# Altium PCB power-v3.6.PcbDoc (part 2 of 3)
Units mil, origin at the board's own origin, x right, y up, seen from the top; angles counter-clockwise.
Board outline 6141.36 x 3430.84 mil, 4 copper layers (Signal 1, Ground, Power, Signal 2), stack 60.469 mil thick; 247 components, 141 nets, 631 pads, 954 vias.
Unrouted connection lines stored in the file: 21.
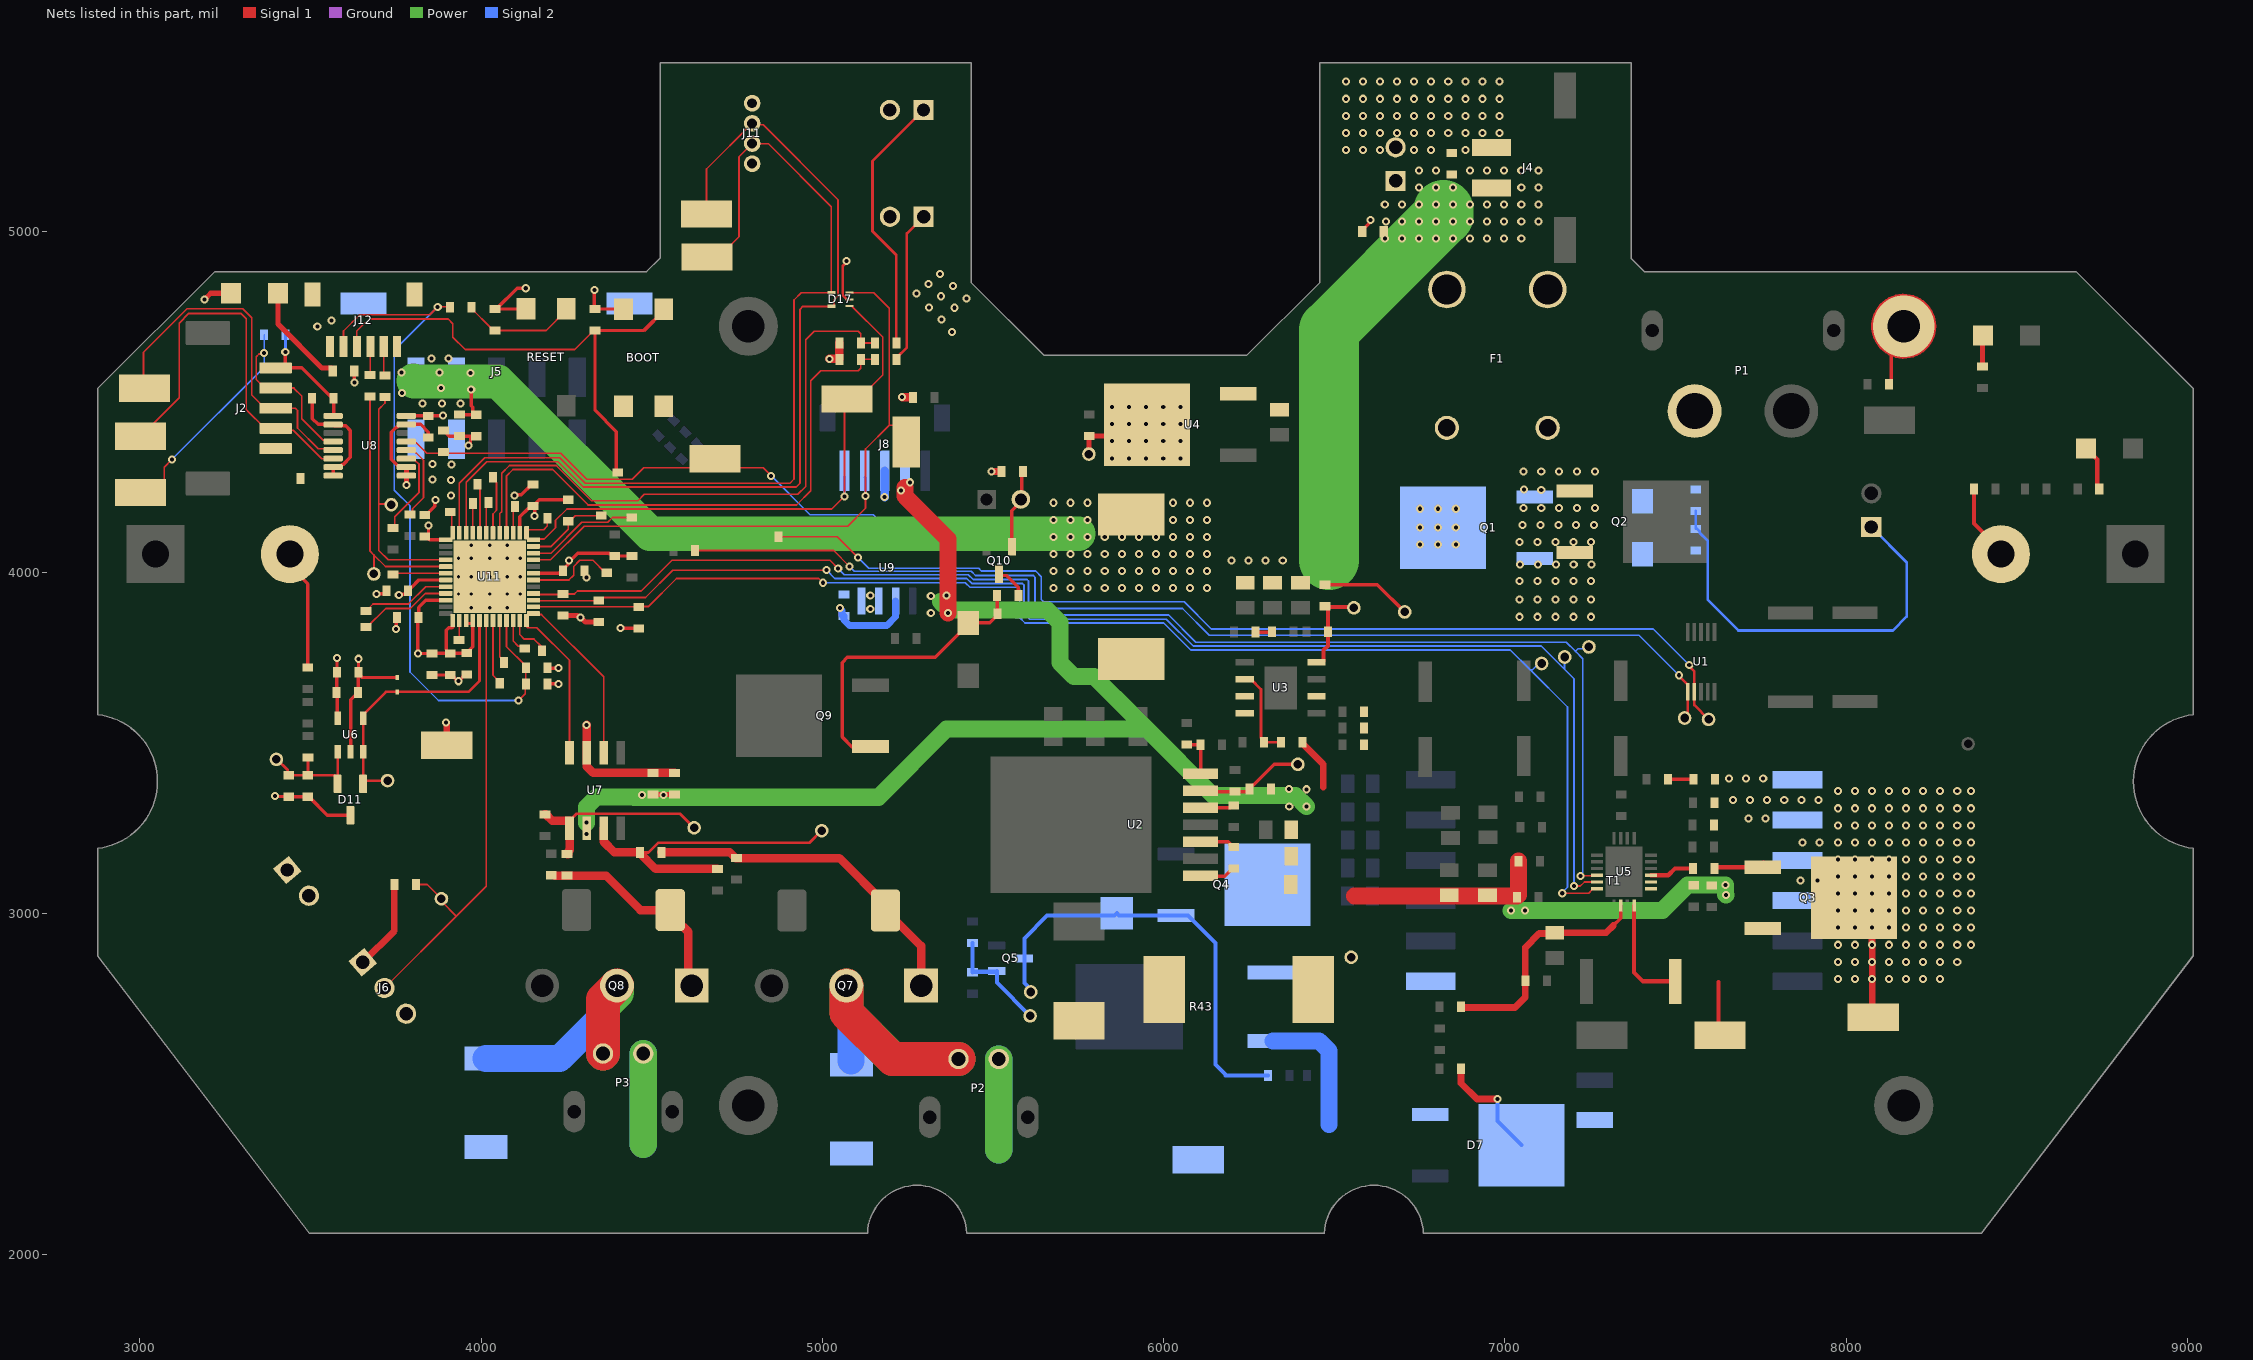
[diagram p4: the nets of this part, all layers, seen from the top]

## Part data (continued)
C59: library part "CAP 4.7uF 35V", "CAP CER 4.7UF 35V X7R 0603/0805", Operating Temperature="-55°C ~ 125°C", Package=0603/0805, Rating=35V, Temperature Coefficient=X7R, Tolerance=10%, Part Number="CAP 4.7uF 35V"
D1 D16: library part "DIODE ZENER 12V 1W", "Zener Diode 12 V 1 W ±5% Surface Mount SMA", Mfr_Name="Diodes Inc", Supplier Part Number 1=SMAZ12-FDICT-ND, Copyright="Copyright (C) 2021 Ultra Librarian. All rights reserved.", Digi-Key_Part_Number_1=SMAZ12-FDICT-ND, Digi-Key_Part_Number_2=SMAZ12-FDIDKR-ND, Digi-Key_Part_Number_3=SMAZ12-FDITR-ND, Manufacturer Part Number 1=SMAZ12-13-F, Manufacturer_Part_Number=SMAZ12-13-F, Part Number="DIODE ZENER 12V 1W", RefDes=RefDes, Supplier 1=Digi-Key, Supplier 2=Newark, Supplier 3=Digi-Key, Supplier Part Number 2=23T8541, Supplier Part Number 3=SMAZ12-FDICT-ND, Supplier URL 1=https://www.digikey.com/en/products/detail/SMAZ12-13-F/SMAZ12-FDICT-ND/725073?curr=usd&utm_campaign=buynow&utm_medium=aggregator&utm_source=octopart, Type=DEV
D2: library part "DIODE SCHOTTKY 80V 5A", "Diode Schottky 80V 5A Surface Mount SMA", Current - Average Rectified (Io)=5A, Manufacturer Part Number 1=SK58L-TP, Package=DO-214AB, Supplier Part Number 1=SK58L-TPMSCT-ND, Voltage - DC Reverse (Vr) (Max)=80V, Voltage - Forward (Vf) (Max) @ If="850 mV @ 5 A", Part Number="DIODE SCHOTTKY 80V 5A", Supplier 1=Digi-Key, Supplier URL 1=https://www.digikey.com/en/products/detail/SK58L-TP/SK58L-TPMSCT-ND/4966298?curr=usd&utm_campaign=buynow&utm_medium=aggregator&utm_source=octopart
D3 D5 D8: library part "LED GREEN SMD", "Typical RED, GREEN, YELLOW, AMBER GaAs LED", Package=1206, Part Number="LED GREEN SMD", Pin Count=2
D7: "Diode Switching 600V 5A DPAK", Digikey=VS-5EWH06FN-M3-ND, Digikey Link=https://www.digikey.ca/en/products/detail/vishay-semiconductor-diodes-division/VS-5EWH06FN-M3/4934509, MF="Vishay Diodes", Part Number=VS-5EWH06FN-M3, Pin Count=2
D9: library part "DIODE ZENER 15V 3W", "Diode ZENER 15V 3W", Supplier Part Number 1=3SMBJ5929BTPMSCT-ND, Part Number="DIODE ZENER 15V 3W", Pin Count=2, Supplier 1=Digi-Key
D10: library part "DIODE ZENER 3.3 200mW", "Zener Diode 3.3 V 200 mW ±5% Surface Mount SOD-923", Mfr_Name="ON Semiconductor", Supplier Part Number 1=NZ9F3V3T5GOSCT-ND, Copyright="Copyright (C) 2021 Ultra Librarian. All rights reserved.", Digi-Key_Part_Number_1=NZ9F3V3T5GOSTR-ND, Digi-Key_Part_Number_2=NZ9F3V3T5GOSCT-ND, Digi-Key_Part_Number_3=NZ9F3V3T5GOSDKR-ND, Manufacturer Part Number 1=NZ9F3V3T5G, Manufacturer_Part_Number=NZ9F3V3T5G, Part Number="DIODE ZENER 3.3 200mW", RefDes=RefDes, Supplier 1=Digi-Key, Supplier URL 1=https://www.digikey.com/en/products/detail/onsemi/NZ9F3V3T5G/1961325, Type=DEV
D11: library part "DIODE TVS 3.3VR 3.5VBR", "3.3V Reverese Standoff, 3.5V Breakdown, 12.5V Clamp 40A (8/20µs) Ipp Tvs Diode SMD SOT-23", Supplier Part Number 1=353-SM3.3H-TPCT-ND, ComponentLink1Description="Octopart Link", ComponentLink1URL=https://octopart.com/search?q=SM3.3H-TP&currency=USD&specs=0, Manufacturer Part Number 1=SM3.3H-TP, Part Number="DIODE TVS 3.3VR 3.5VBR", Supplier 1=Digi-Key, Supplier URL 1=https://www.digikey.com/en/products/detail/micro-commercial-co/SM3-3H-TP/12177181
D12 D14: library part "DIODE FAST 600V 8A", "Diode Standard 600 V 8A Surface Mount SMC", Supplier Part Number 1=1740-MUR860JCT-ND, ComponentLink1Description="Octopart Link", ComponentLink1URL=https://octopart.com/search?q=MUR860J&currency=USD&specs=0, Manufacturer Part Number 1=MUR860J, Part Number="DIODE FAST 600V 8A", Supplier 1=Digi-Key, Supplier URL 1=https://www.digikey.com/en/products/detail/ween-semiconductors/MUR860J/11630078
D13 D15: library part "DIODE TVS 14VR 15.6VBR", "23.2V Clamp 64.7A Ipp Tvs Diode Surface Mount DO-214AB (SMC), VR = 14V, VBR = 15.6V", Package=None, Supplier Part Number 1=SMCJ14ALFCT-ND, Availability=Unavailable, Manufacturer Part Number 1=SMCJ14A, MP=SMCJ14A, Part Number="DIODE TVS 14VR 15.6VBR", Price=None, Supplier 1=Digi-Key, Supplier 2=Mouser, Supplier Part Number 2=652-SMCJ14A, Supplier URL 1=https://www.digikey.com/en/products/detail/littelfuse-inc/SMCJ14A/762380
D17: library part "DIODE TVS 3.5 VWM 4 Channel", "- Clamp - Ipp Tvs Diode Surface Mount ESV 4 Channel", Manufacturer Part Number 1=DF5A5.6CJE,LM, Manufacturer_Part_Number=df5a5.6cje(te85l, Mfr_Name="Toshiba Electronic Devices & Storage Co.", Supplier Part Number 1=DF5A5.6CJE,LMCT-ND, Copyright="Copyright (C) 2021 Ultra Librarian. All rights reserved.", Digi-Key_Part_Number_1=DF5A5.6CJE(TE85LF)TR-ND, Digi-Key_Part_Number_2=DF5A5.6CJE(TE85LF)CT-ND, Digi-Key_Part_Number_3=DF5A5.6CJE(TE85LF)DKR-ND, Part Number="DIODE TVS 3.5 VWM 4 Channel", RefDes=RefDes, Supplier 1=Digi-Key, Supplier URL 1=https://www.digikey.com/en/products/detail/toshiba-semiconductor-and-storage/DF5A5-6CJE-LM/4305072, Type=DEV
F1: library part "FUSE BLADE", "Fuse Block 30A 500V 1 Circuit Blade Through Hole", Package="Nonstandard Keystone", Supplier Part Number 1=36-3557-2-ND, MF="Keystone Electronics", MP=3557-2, Part Number="FUSE BLADE", Pin Count=4, Price=None, SnapEDA_Link=https://www.snapeda.com/parts/3557-2/Keystone%20Electronics/view-part/278060/?ref=snap, Supplier 1=Digi-Key
J1 J3 J7 J9 J10: "Connector Header Through Hole 2 position 0.098 _2.50mm_ / JST XH", Package=None, MF="JST Sales", MP=B2B-XH-A_LF__SN_, Part Number="CN HDR 2POS JST XH", Pin Count=2, Price=None, SnapEDA_Link=https://www.snapeda.com/parts/B2B-XH-A%28LF%29%28SN%29/JST%20Sales%20America%20Inc./view-part/492310/?ref=snap
J2: library part "CN 5POS JST ZE SMT", "CONN HEADER VERT SMD 5POS ZE", Supplier Part Number 1=455-2383-1-ND, Manufacturer Part Number 1=BM05B-ZESS-TBT(LF)(SN), Part Number="CN 5POS JST ZE SMT", Pin Count=5, Supplier 1=Digi-Key, Supplier URL 1=https://www.digikey.ca/en/products/detail/jst-sales-america-inc/BM05B-ZESS-TBT-LF-SN/1886989?s=N4IgTCBcDaIEIFkAMBWOBaAWgUQMq-QBU5CAKAGQDEBKU3AOWpAF0BfIA
J4: library part "CN HDR 2POS Molex 0436500214", "Connector Header Surface Mount, Right Angle 2 position 0.118\" (3.00mm)", Manufacturer_Name=Molex, Manufacturer_Part_Number=43650-0214, Supplier Part Number 1=WM14310CT-ND, Datasheet Link=http://www.molex.com/webdocs/datasheets/pdf/en-us//0436500214_PCB_HEADERS.pdf, Manufacturer Part Number 1=0436500214, Part Number="CN HDR 2POS Molex 0436500214", Supplier 1=Digi-Key, Supplier 2=Newark, Supplier 3="Arrow Electronics", Supplier 4=Mouser, Supplier Part Number 2=39AH6218, Supplier Part Number 3=43650-0214, Supplier Part Number 4=538-43650-0214, Supplier URL 1=https://www.digikey.com/en/products/detail/molex/0436500214/3310534
J5: library part "CN HDR 10POS MOLEX 430451010", "Connector Header Surface Mount, Right Angle 10 position 0.118\" (3.00mm)", Mfr_Name="Molex Connector Corporation", Supplier Part Number 1=WM3819CT-ND, Copyright="Copyright (C) 2021 Ultra Librarian. All rights reserved.", Digi-Key_Part_Number_1=WM3819TR-ND, Digi-Key_Part_Number_2=WM3819CT-ND, Digi-Key_Part_Number_3=WM3819DKR-ND, Manufacturer Part Number 1=430451010, Manufacturer_Part_Number=430451010, Part Number="CN HDR 10POS MOLEX 430451010", RefDes=RefDes, Supplier 1=Digi-Key, Supplier 2=Newark, Supplier 3=Mouser, Supplier Part Number 2=03AH4054, Supplier Part Number 3=538-43045-1010, Supplier URL 1=https://www.digikey.com/en/products/detail/molex/0430451010/2421710?s=N4IgTCBcDaICwGYAMcCsBGJmQF0C%2BQA, Type=DEV
J6: library part "CN HDR 3POS JST XH", "Connector Header Through Hole 3 position 0.098 (2.50mm)", Package=None, Supplier Part Number 1=455-2248-ND, Availability="In Stock", Check_prices=https://www.snapeda.com/parts/B3B-XH-A(LF)(SN)/JST%20Sales%20America%20Inc./view-part/231271/?ref=eda, Manufacturer Part Number 1=B3B-XH-A(LF)(SN), MF="JST Sales", MP=B3B-XH-A(LF)(SN), Part Number="CN HDR 3POS JST XH", Price=None, SnapEDA_Link=https://www.snapeda.com/parts/B3B-XH-A(LF)(SN)/JST%20Sales%20America%20Inc./view-part/231271/?ref=snap, Supplier 1=Digi-Key, Supplier URL 1=https://www.digikey.com/en/products/detail/jst-sales-america-inc/B3B-XH-A-LF-SN/1651046
J8: library part "CN 5POS JST ZR RA", "Connector Header Surface Mount, Right Angle 5 position 0.059\" (1.50mm)", Manufacturer Part Number 1=S5B-ZR-SM4A-TF, Supplier Part Number 1=455-1696-1-ND, Part Number="CN 5POS JST ZR RA", Pin Count=5, Supplier 1=Digi-Key, Supplier URL 1=https://www.digikey.ca/en/products/detail/jst-sales-america-inc/S5B-ZR-SM4A-TF-LF-SN/926603?s=N4IgTCBcDaICwFYEFoCMA2AnOtyByAIiALoC%2BQA
J11: library part "CN HDR 4POS JST ZR", "Connector Header Through Hole, Right Angle 4 position 0.059\" (1.50mm)", Mfr_Name=JST, Supplier Part Number 1=455-1671-ND, Copyright="Copyright (C) 2021 Ultra Librarian. All rights reserved.", Digi-Key_Part_Number_1=455-1671-ND, Manufacturer Part Number 1=S4B-ZR(LF)(SN), Manufacturer_Part_Number=S4B-ZR(LF)(SN), Part Number="CN HDR 4POS JST ZR", RefDes=RefDes, Supplier 1=Digi-Key, Supplier URL 1=https://www.digikey.com/en/products/detail/jst-sales-america-inc/S4B-ZR-LF-SN/926578, Type=DEV
J12: library part "CN 6POS JST SR SMT", "Connector Header Surface Mount, Right Angle 6 position 0.039 _1.00mm_", Package=None, Supplier Part Number 1=455-1806-1-ND, Digi-Key_Part_Number=455-1806-1-ND, Digi-Key_Purchase_URL=https://www.digikey.com/product-detail/en/jst-sales-america-inc/SM06B-SRSS-TB_LF__SN_/455-1806-1-ND/926877?utm_source=snapeda&utm_medium=aggregator&utm_campaign=symbol, Manufacturer Part Number 1=SM06B-SRSS-TB(LF)(SN), MF="JST Sales", MP=SM06B-SRSS-TB_LF__SN_, Part Number="CN 6POS JST SR SMT", SnapEDA_Link=https://www.snapeda.com/parts/SM06B-SRSS-TB%28LF%29%28SN%29/JST%20Sales%20America%20Inc./view-part/554386/?ref=snap, Supplier 1=Digi-Key, Supplier URL 1=https://www.digikey.com/en/products/detail/jst-sales-america-inc/SM06B-SRSS-TB-LF-SN/926712
J13: "2 Pin Jumper Male Pins and Cap", Package=None, Supplier Part Number 1=A105225-ND, Availability=Unavailable, ComponentLink1Description=JumperPins, ComponentLink1URL=https://www.digikey.ca/en/products/detail/te-connectivity-amp-connectors/5-146252-1/2275768#, ComponentLink2Description=JumperCap, ComponentLink2URL=https://www.digikey.ca/en/products/detail/samtec-inc/SNT-100-BK-G/1756763, Manufacturer Part Number 1=5-146252-1, MP=5-146252-1, Part Number=5-146252-1, Price=None, Supplier 1=Digi-Key, Supplier URL 1=https://www.digikey.com/en/products/detail/te-connectivity-amp-connectors/5-146252-1/2275768
L1: library part "IND 33UH 8A 58 MOHM SMD", "33µH Shielded Wirewound Inductor 8A 58mOhm Max Nonstandard", Package="1008 Bourns", Supplier Part Number 1=SRP1265A-330MCT-ND, Availability=Unavailable, Manufacturer Part Number 1=SRP1265A-330M, MF=Bourns, MP=SRP1265A-330M, Part Number="IND 33UH 8A 58 MOHM SMD", Price=None, SnapEDA_Link=https://www.snapeda.com/parts/SRP1265A-330M/Bourns/view-part/55645/?ref=snap, Supplier 1=Digi-Key, Supplier 2=Newark, Supplier 3=Mouser, Supplier URL 1=https://www.digikey.com/en/products/detail/bourns-inc/SRP1265A-330M/4876626?s=N4IgTCBcDaIMoCUAKBGMA2ArAQQLQGZ8AGAWRAF0BfIA
L2: library part "IND 3.3UH 12A 12 MOHM SMD", "3.3uH 12A Shielded Molded Inductor 12mOhm Max", Mfr_Name=Vishay, Supplier Part Number 1=541-1020-1-ND, Copyright="Copyright (C) 2021 Ultra Librarian. All rights reserved.", Digi-Key_Part_Number_1=541-1020-1-ND, Digi-Key_Part_Number_2=541-1020-2-ND, Digi-Key_Part_Number_3=541-1020-6-ND, Manufacturer Part Number 1=IHLP5050CEER3R3M01, Manufacturer_Part_Number=IHLP5050CEER3R3M01, Part Number="IND 3.3UH 12A 12 MOHM SMD", RefDes=RefDes, Supplier 1=Digi-Key, Supplier URL 1=https://www.digikey.com/en/products/detail/vishay-dale/IHLP5050CEER3R3M01/1220725?s=N4IgTCBcDaIJIAkAyAFArABkwYQKK4CUBmYgWQwEYQBdAXyA, Type=DEV
P1: library part "XT60 Connector", "XT60 CONNECTORS FEMALE PAIR", Supplier Part Number 1=1568-1816-ND, Digikey=1568-1816-ND, Digikey Link=https://www.digikey.ca/product-detail/en/sparkfun-electronics/PRT-10474/1568-1816-ND/8258064, MF="SparkFun Electronics", MP=PRT-10474, Package=XT60, Part Number="XT60 Connector", Pin Count=2, Price="2.13000 CAD", Supplier 1=Digi-Key, Supplier URL 1=https://www.digikey.ca/product-detail/en/sparkfun-electronics/PRT-10474/1568-1816-ND/8258064
P2 P3: library part "CN MOLEX 4365002XX", "MOLEX MICROFIT 2CKT RIGHT THRU", Package=Microfit, Digikey=WM17581-ND, Digikey Link=https://www.digikey.com/en/products/detail/molex/0436500205/3310532?s=N4IgTCBcDaICwGYBsBWADGsaUgLoF8g, MF=MOLEX, MP=4365002XX, Part Number="CN MOLEX 4365002XX", Pin Count=2, Price="1.44 CAD", Supplier 1=Digi-Key, Supplier URL 1=https://www.digikey.com/en/products/detail/molex/0436500205/3310532?s=N4IgTCBcDaICwGYBsBWADGsaUgLoF8g
Q1 Q2 Q9: library part "MOSFET IPD85P04P4-07", "P-Channel 40 V 85A (Tc) 88W (Tc) Surface Mount PG-TO252-3-313", Supplier Part Number 1=448-IPD85P04P407ATMA1CT-ND, Part Number="MOSFET IPD85P04P4-07", Supplier 1=Digi-Key, Supplier 2=Mouser, Supplier 3=Digi-Key, Supplier Part Number 2=726-IPD85P04P4-07, Supplier Part Number 3=448-IPD85P04P407ATMA1CT-ND, Supplier URL 1=https://www.digikey.ca/en/products/detail/infineon-technologies/IPD85P04P407ATMA1/5960266
Q3: library part "MOSFET N-CH IXFY36N20X3", "N-Channel 200 V 36A (Tc) 176W (Tc) Surface Mount TO-252AA", Supplier Part Number 1=IXFY36N20X3-ND, Manufacturer Part Number 1=IXFY36N20X3, Part Number="MOSFET N-CH IXFY36N20X3", Supplier 1=Digi-Key, Supplier URL 1=https://www.digikey.com/en/products/detail/ixys/IXFY36N20X3/7902311
Q5 Q10: library part "MOSFET N-CH TN2130K1-G", "N-Channel 300 V 85mA (Tj) 360mW (Tc) Surface Mount TO-236AB (SOT23)", Mfr_Name=Microchip, Supplier Part Number 1=TN2130K1-GCT-ND, Copyright="Copyright (C) 2021 Ultra Librarian. All rights reserved.", Digi-Key_Part_Number_1=TN2130K1-GCT-ND, Digi-Key_Part_Number_2=TN2130K1-GDKR-ND, Digi-Key_Part_Number_3=TN2130K1-GTR-ND, Manufacturer Part Number 1=TN2130K1-G, Manufacturer_Part_Number=TN2130K1-G, Part Number="MOSFET N-CH TN2130K1-G", RefDes=RefDes, Supplier 1=Digi-Key, Supplier URL 1=https://www.digikey.com/en/products/detail/microchip-technology/TN2130K1-G/4902939, Type=DEV
Q7 Q8: "IGBT Field Stop 600V 150A 750W Through Hole PowerTO-247-3", Package="TO-247 Fairchild Semiconductor", Supplier Part Number 1=FGY75N60SMDFS-ND, MF="ON Semiconductor", MP=FGY75N60SMD, Part Number=FGY75N60SMD, Supplier 1=Digi-Key
R1 R2 R26 R28 R31 R33 R46: library part "RES 100k 1/8W - 1%", "RES SMD 100K OHM 1% 1/8W 0603", Manufacturer Part Number 1=ERJ-H3GJ104V, Package=0805, Power (Watts)=0.125W, Supplier Part Number 1=10-ERJ-H3GJ104VCT-ND, Tolerance=1%, Part Number="RES 100k 1/8W - 1%", Supplier 1=Digi-Key, Supplier URL 1=https://www.digikey.ca/en/products/detail/panasonic-electronic-components/ERJ-H3GJ104V/13877854?s=N4IgTCBcDaIIwAYC0BRASgKSQCQMwHENEAWANQGEAVJAOQBEQBdAXyA
R3 R42 R44: library part "RES 5.1M 1/8W-5%", "RES SMD 5.1 MOHM 5% 1/8W 0603", Package=0805, Power (Watts)=0.125W, Tolerance=5%, Part Number="RES 5.1M 1/8W-5%"
R4 R38 R57 R58 R59 R63 R64: library part "RES 0 JUMPER", "RES SMD 0 OHM JUMPER GENERIC 0603", Manufacturer Part Number 1=RK73Z1JTTD, Package=0805, Supplier Part Number 1=2019-RK73Z1JTTDCT-ND, Tolerance=N/A, Part Number="RES 0 JUMPER", Supplier 1=Digi-Key, Supplier URL 1=https://www.digikey.ca/en/products/detail/koa-speer-electronics-inc/RK73Z1JTTD/9845478
R5 R6 R69 R72 R73 R74: library part "RES 4.7k 1/8W - 5%", "RES SMD 4.7k OHM 5% 1/8W 0603", Manufacturer Part Number 1=RMCF0603JT4K70, Package=0805, Power (Watts)=0.125W, Supplier Part Number 1=RMCF0603JT4K70CT-ND, Tolerance=5%, Part Number="RES 4.7k 1/8W - 5%", Supplier 1=Digi-Key, Supplier URL 1=https://www.digikey.ca/en/products/detail/stackpole-electronics-inc/RMCF0603JT4K70/1757976
R7 R8: library part "RES 2m 1W", "RES SMD 2m OHM 1% 1W 2512", Package=1206, Power (Watts)=1W, Tolerance=1%, Part Number="RES 2m 1W"
R9 R18 R55 R71: library part "RES 47k 1/8W - 5%", "RES SMD 47k OHM 5% 1/8W 0603", Package=0805, Power (Watts)=0.125W, Tolerance=5%, Part Number="RES 47k 1/8W - 5%"
R10: library part "RES 8.45k 1/8W", "RES SMD 8.45k OHM 1% 1/8W 0603", Package=0603, Power (Watts)=0.125W, Tolerance=1%, Part Number="RES 8.45k 1/8W"
R11: library part "RES 383k 1/10W", "RES SMD 383k OHM 1% 1/10W 0603", Package=0603, Power (Watts)=0.1W, Tolerance=1%, Part Number="RES 383k 1/10W"
R12 R36 R61 R70: library part "RES 10k 1/8W - 5%", "RES SMD 10K OHM 5% 1/8W 0603", Package=0805, Power (Watts)=0.125W, Tolerance=5%, Part Number="RES 10k 1/8W - 5%"
R13 R60 R62 R65 R68: library part "RES 1k 1/8W", "RES SMD 1K OHM 1% 1/8W 0603", Manufacturer Part Number 1=MCT06030C1001FP500, Package=0805, Power (Watts)=0.125W, Supplier Part Number 1=MCT0603-1.00K-CFCT-ND, Tolerance=1%, Part Number="RES 1k 1/8W", Supplier 1=Digi-Key, Supplier URL 1=https://www.digikey.ca/en/products/detail/vishay-beyschlag-draloric-bc-components/MCT06030C1001FP500/2607821?s=N4IgTCBcDaILIGEAqAGAbCgzAWgIwDoUUBpbBAMWWwDkAREAXQF8g
R14 R25 R27 R29 R34 R35 R56: library part "RES 100k 1/8W - 5%", "RES SMD 100K OHM 5% 1/8W 0603", Package=0805, Power (Watts)=0.125W, Tolerance=5%, Part Number="RES 100k 1/8W - 5%"
R15: library part "RES 4.3k 1/8W", "RES SMD 4.3K OHM 1% 1/8W 0603", Package=0805, Power (Watts)=0.125W, Tolerance=5%, Part Number="RES 4.3k 1/8W"
R16: library part "RES 47k 1/8W - 1%", "RES SMD 47K OHM 1% 1/8W 0603", Manufacturer Part Number 1=MCT06030C4702FP500, Package=0805, Power (Watts)=0.125W, Supplier Part Number 1=MCT0603-47.0K-CFCT-ND, Tolerance=1%, Part Number="RES 47k 1/8W - 1%", Supplier 1=Digi-Key, Supplier URL 1=https://www.digikey.ca/en/products/detail/vishay-beyschlag-draloric-bc-components/MCT06030C4702FP500/2607854?s=N4IgTCBcDaILIGEAqAGAbCgzAWgCwHYA6FAaWwQDFlsA5AERAF0BfIA
R17: library part "RES 820.0 1/8W", "RES SMD 820 OHM 5% 1/8W 0603", Package=0603, Power (Watts)=0.125W, Tolerance=5%, Part Number="RES 820.0 1/8W"
R19 R51 R53: library part "RES 110.0 1/8W - 1%", "RES SMD 110 OHM 1% 1/8W 0603", Manufacturer Part Number 1=RMCF0603FT110R, Package=0603, Power (Watts)=0.125W, Supplier Part Number 1=RMCF0603FT110RCT-ND, Tolerance=1%, Part Number="RES 110.0 1/8W - 1%", Supplier 1=Digi-Key, Supplier URL 1=https://www.digikey.ca/en/products/detail/stackpole-electronics-inc/RMCF0603FT110R/1761268
R20: library part "RES 1.96k 1/8W", "RES SMD 1.96K OHM 1% 1/8W 0603", Manufacturer Part Number 1=RC0603FR-071K96L, Package=0805, Power (Watts)=0.125W, Supplier Part Number 1=311-1.96KHRCT-ND, Tolerance=1%, Part Number="RES 1.96k 1/8W", Supplier 1=Digi-Key, Supplier URL 1=https://www.digikey.ca/en/products/detail/yageo/RC0603FR-071K96L/726878
R21: library part "RES 174k 1/8W", "RES SMD 174K OHM 1% 1/8W 0603", Manufacturer=Yageo, Manufacturer Part Number=RC0805FR-07174KL, Max Operating Temperature=155°C, Temperature Coefficient=100ppm/°C, Tolerance=1%, Voltage Rating=150V, Category="Chip SMD Resistors", ComponentLink1Description=https://datasheet.ciiva.com/2509/pyu-r-int-thick-7-2509472.pdf?src-supplier=Digi-Key, ComponentLink1URL=https://datasheet.ciiva.com/2509/pyu-r-int-thick-7-2509472.pdf?src-supplier=Digi-Key, ComponentLink2Description=https://datasheet.ciiva.com/2509/pyu-r-int-thick-7-2509471.pdf?src-supplier=Digi-Key, ComponentLink2URL=https://datasheet.ciiva.com/2509/pyu-r-int-thick-7-2509471.pdf?src-supplier=Digi-Key, ComponentLink3Description=https://datasheet.ciiva.com/2509/pyu-r-int-thick-7-2509473.pdf?src-supplier=Digi-Key, ComponentLink3URL=https://datasheet.ciiva.com/2509/pyu-r-int-thick-7-2509473.pdf?src-supplier=Digi-Key, Depth=1.25mm, Height=0.024inch, Length=2mm, Part Number="RES 174k 1/8W", RoHS=Yes, Termination=SMD/SMT, Voltage Rating (DC)=150V, Width=0.049inch
R22: library part "RES 255k 1/8W - 1%", "RES 255k 1/8W - 1% 0603", Part Number="RES 255k 1/8W - 1%"
R23 R47 R48 R49: library part "RES 330k 1/8W - 1%", "RES SMD 274K OHM 1% 1/8W 0603", Part Number="RES 330k 1/8W - 1%"
R24: library part "RES 495k 1/8W", "RES SMD 495K OHM 1% 1/8W 0603", Manufacturer=Yageo, Manufacturer Part Number=RC0805FR-07499KL, Max Operating Temperature=155°C, Temperature Coefficient=100ppm/°C, Tolerance=1%, Voltage Rating=150V, Category="Chip SMD Resistors", ComponentLink1Description=https://datasheet.ciiva.com/15189/getdatasheetpartid-326570-15189975.pdf?src-supplier=Verical, ComponentLink1URL=https://datasheet.ciiva.com/15189/getdatasheetpartid-326570-15189975.pdf?src-supplier=Verical, Depth=1.25mm, Length=2mm, Part Number="RES 495k 1/8W", RoHS=Yes, Termination=SMD/SMT, Voltage Rating (DC)=150V
R30 R37: library part "RES 25.5k 1/8W", "RES SMD 25.5K OHM 0.1% 1/8W 0603", Manufacturer=Panasonic, Manufacturer Part Number=ERA-6AEB2552V, Max Operating Temperature=155°C, Temperature Coefficient=25ppm/°C, Tolerance=0.1%, Voltage Rating=100V, Category="Chip SMD Resistors", ComponentLink1Description=https://datasheet.ciiva.com/11810/0900766b80eb1d8c-11810651.pdf?src-supplier=RSComponents, ComponentLink1URL=https://datasheet.ciiva.com/11810/0900766b80eb1d8c-11810651.pdf?src-supplier=RSComponents, ComponentLink2Description=https://datasheet.ciiva.com/26335/459526-da-01-en-widerstand-0805-era-26335831.pdf?src-supplier=Conrad, ComponentLink2URL=https://datasheet.ciiva.com/26335/459526-da-01-en-widerstand-0805-era-26335831.pdf?src-supplier=Conrad, ComponentLink3Description=https://datasheet.ciiva.com/7870/485442-7870651.pdf?src-supplier=Element14, ComponentLink3URL=https://datasheet.ciiva.com/7870/485442-7870651.pdf?src-supplier=Element14, ComponentLink4Description=https://datasheet.ciiva.com/5987/485442-5987308.pdf?src-supplier=Farnell, ComponentLink4URL=https://datasheet.ciiva.com/5987/485442-5987308.pdf?src-supplier=Farnell, ComponentLink5Description=https://datasheet.ciiva.com/7870/485442-7870652.pdf?src-supplier=Element14, ComponentLink5URL=https://datasheet.ciiva.com/7870/485442-7870652.pdf?src-supplier=Element14, ComponentLink6Description=https://datasheet.ciiva.com/30151/54aoa0000ce26-30151583.pdf?src-supplier=Onlinecomponents.com, ComponentLink6URL=https://datasheet.ciiva.com/30151/54aoa0000ce26-30151583.pdf?src-supplier=Onlinecomponents.com, Depth=1.25mm, Height=0.5mm, Length=2mm, Mount="Surface Mount", Number of Pins=2, Part Number="RES 25.5k 1/8W", RoHS=Yes, Termination=Solder, Voltage Rating (DC)=100V, Width=1.25mm
R32: library part "RES 11.5k 1/8W", "RES SMD 11.5K OHM 0.1% 1/8W 0603 Thin Film", Manufacturer=Panasonic, Manufacturer Part Number=ERA-6AEB1152V, Max Operating Temperature=155°C, Supplier Part Number 1=P11.5KDACT-ND, Temperature Coefficient=25ppm/°C, Tolerance=0.1%, Voltage Rating=100V, Category="Chip SMD Resistors", ComponentLink1Description=https://datasheet.ciiva.com/11810/0900766b80eb1d8c-11810868.pdf?src-supplier=RSComponents, ComponentLink1URL=https://datasheet.ciiva.com/11810/0900766b80eb1d8c-11810868.pdf?src-supplier=RSComponents, ComponentLink2Description=https://datasheet.ciiva.com/41450/001181306-da-01-en-widerstand-era-0805-11k5-0-1-5000st-41450464.pdf?src-supplier=Conrad, ComponentLink2URL=https://datasheet.ciiva.com/41450/001181306-da-01-en-widerstand-era-0805-11k5-0-1-5000st-41450464.pdf?src-supplier=Conrad, ComponentLink3Description=https://datasheet.ciiva.com/5987/485442-5987301.pdf?src-supplier=Farnell, ComponentLink3URL=https://datasheet.ciiva.com/5987/485442-5987301.pdf?src-supplier=Farnell, ComponentLink4Description=https://datasheet.ciiva.com/7829/485442-7829142.pdf?src-supplier=Element14, ComponentLink4URL=https://datasheet.ciiva.com/7829/485442-7829142.pdf?src-supplier=Element14, ComponentLink5Description=https://datasheet.ciiva.com/17211/aoa0000ce26-17211855.pdf?src-supplier=Avnet+Europe, ComponentLink5URL=https://datasheet.ciiva.com/17211/aoa0000ce26-17211855.pdf?src-supplier=Avnet+Europe, ComponentLink6Description=https://datasheet.ciiva.com/7829/485442-7829143.pdf?src-supplier=Element14, ComponentLink6URL=https://datasheet.ciiva.com/7829/485442-7829143.pdf?src-supplier=Element14, Depth=1.25mm, Height=0.5mm, Length=2mm, Mount="Surface Mount", Number of Pins=2, Part Number="RES 11.5k 1/8W", RoHS=Yes, Supplier 1=Digi-Key, Termination=Solder, Voltage Rating (DC)=100V, Width=1.25mm
R40: library part "RES 7m 3W", "RES SMD 7m OHM 1% 3W 2512", Package=1206, Power (Watts)=3W, Supplier Part Number 1=541-10361-1-ND, Tolerance=1%, ComponentLink1Description="Digikey Link", ComponentLink1URL=https://www.digikey.com/en/products/detail/vishay-dale/WFMB2512R0500FEA/9972278, Digikey=541-10282-1-ND, MFG=VISHAY, Part Number="RES 7m 3W", Supplier 1=Digi-Key
R41: library part "RES 1.05k 1/8W", "RES SMD 1.05K OHM 0.1% 1/8W 0603", Package=0805, Tolerance=0.1%, Part Number="RES 1.05k 1/8W"
R43: library part "RES 1.5k 50W", "RES SMD 1.5K OHM 1% 50W D2PAK", Package="D2PAK (TO-263)", Power (Watts)=50W, Tolerance=1%, Part Number="RES 1.5k 50W"
R45: library part "RES 270k 1/8W", "RES SMD 270K OHM 5% 1/8W 0603", Package=0805, Power (Watts)=0.125W, Tolerance=5%, Part Number="RES 270k 1/8W"
R50: library part "RES 13k 1/8W", "RES SMD 13K OHM 5% 1/8W 0603", Package=0805, Power (Watts)=0.125W, Tolerance=5%, Part Number="RES 13k 1/8W"
R52 R54: library part "RES 10k 1/8W - 1%", "RES SMD 10K OHM 1% 1/8W 0603", Manufacturer Part Number 1=ERJ-H3GJ103V, Manufacturer Part Number 2=RMCF0805JT10K0, Package=0805, Power (Watts)=0.125W, Supplier Part Number 1=10-ERJ-H3GJ103VCT-ND, Tolerance=5%, Part Number="RES 10k 1/8W - 1%", Supplier 1=Digi-Key, Supplier 2=Digi-Key, Supplier Part Number 2=RMCF0805JT10K0CT-ND, Supplier URL 1=https://www.digikey.ca/en/products/detail/panasonic-electronic-components/ERJ-H3GJ103V/13877876?s=N4IgTCBcDaIIwAYC0BRASgKSQCQMwHENFcA1AYQBUkA5AERAF0BfIA, Supplier URL 2=https://www.digikey.ca/en/products/detail/stackpole-electronics-inc/RMCF0805JT10K0/1757762?s=N4IgTCBcDaIEoFkDCAxADADjQVgFIBUBGNAaTSXxAF0BfIA, Tolerance 2=5%
R66 R67: library part "RES 200.0 1/8W", "RES SMD 200 OHM 5% 1/8W 0603", Package=0603, Power (Watts)=0.125W, Tolerance=5%, Part Number="RES 200.0 1/8W"
R75: library part "RES 1.54k 1_8W - 1%", "RES SMD 1.54k OHM 1% 1/8W 0603", Manufacturer Part Number 1=ERJ-3EKF1541V, Package=0603, Power (Watts)=0.125W, Supplier Part Number 1=P1.54KHDKR-ND, Tolerance=1%, Part Number="RES 1.54k 1_8W - 1%", Supplier 1=Digi-Key, Supplier URL 1=https://www.digikey.com/en/products/detail/ERJ-3EKF1541V/P1.54KHDKR-ND/576008?curr=usd&utm_campaign=buynow&utm_medium=aggregator&utm_source=octopart
T1: "Audio Transformers / Signal Transformers DA2032 Cap Chrgr For Linear LT3750/51", Supplier Part Number 1=994-DA2034-ALB, Part Number=DA2034, Supplier 1=Mouser
U1: library part ltc4151ims#pbf, "IC CURRENT MONITOR(12BIT) 10MSOP", Mfr_Name="Analog Devices / Linear Technology", Supplier Part Number 1=LTC4151IMS#PBF-ND, Copyright="Copyright (C) 2021 Ultra Librarian. All rights reserved.", Digi-Key_Part_Number_1=LTC4151IMS#PBF-ND, Manufacturer Part Number 1=ltc4151ims#pbf, Manufacturer_Part_Number=ltc4151ims#pbf, Part Number=ltc4151ims#pbf, RefDes=RefDes, Supplier 1=Digi-key, Supplier URL 1=https://www.digikey.ca/en/products/detail/analog-devices-inc/LTC4151IMS-PBF/1814473?s=N4IgTCBcDaIDIBUDCAWAjAVjQSQLIGUBiABQCEAxEAXQF8g, Type=DEV
U2: "Buck Switching Regulator IC Positive Adjustable 1.285V 1 Output 5A TO-263-7 Thin", Package=None, Supplier Part Number 1=LM22677TJ-ADJ/NOPBCT-ND, Availability=Unavailable, Manufacturer Part Number 1=LM22677TJ-ADJ, MP=LM22677TJ-ADJ, Part Number=LM22677TJ-ADJ, Price=None, Supplier 1=Digi-key, Supplier URL 1=https://www.digikey.ca/en/products/detail/texas-instruments/LM22677TJ-ADJ-NOPB/1951971?s=N4IgTCBcDaIDIFkxgGwHY0BUBSBaAggCLYgC6AvkA
U3: "Buck Switching Regulator IC Positive Adjustable 0.8V 1 Output 6A 8-SOIC (0.154\", 3.90mm Width) Exposed Pad", Mfr_Name="ROHM Semiconductor", Supplier Part Number 1=846-1115-1-ND, Copyright="Copyright (C) 2021 Ultra Librarian. All rights reserved.", Digi-Key_Part_Number_1=846-1115-2-ND, Digi-Key_Part_Number_2=846-1115-1-ND, Digi-Key_Part_Number_3=846-1115-6-ND, Manufacturer Part Number 1=BD9C601EFJ-E2, Manufacturer_Part_Number=BD9C601EFJ-E2, Part Number=BD9C601EFJ-E2, RefDes=RefDes, Supplier 1=Digi-key, Supplier 2=Newark, Supplier 3=Avnet, Supplier 4=Farnell, Supplier Part Number 2=53X2986, Supplier Part Number 3=BD9C601EFJ-E2, Supplier Part Number 4=2420849, Supplier URL 1=https://www.digikey.ca/en/products/detail/rohm-semiconductor/BD9C601EFJ-E2/4022633?s=N4IgTCBcDaIEIBECcBhAbABgIwFEBiAUgLQ4QC6AvkA, Type=DEV
U4: "Linear Voltage Regulator IC Positive Fixed 1 Output 1A DPAK", Supplier Part Number 1=NCP1117DT33T5GOSCT-ND, Manufacturer Part Number 1=NCP1117DT33T5G, Part Number=NCP1117DT33T5G, Supplier 1=Digi-Key, Supplier URL 1=https://www.digikey.ca/en/products/detail/onsemi/NCP1117DT33T5G/921285
U5: "IC CTRLR CAP CHRGR 4.75V 20-QFN", Manufacturer_Part_Number=lt3751iufd#pbf, Mfr_Name="Analog Devices / Linear Technology", Supplier Part Number 1=LT3751IUFD#PBF-ND, Copyright="Copyright (C) 2021 Ultra Librarian. All rights reserved.", Digi-Key_Part_Number_1=LT3751IUFD#PBF-ND, Manufacturer Part Number 1=LT3751IUFD#PBF, Part Number=LT3751IUFD#PBF, RefDes=RefDes, Supplier 1=Digi-key, Supplier 2="Arrow Electronics", Supplier 3=Mouser, Supplier Part Number 2=LT3751IUFD#PBF, Supplier URL 1=https://www.digikey.com/en/products/detail/analog-devices-inc/LT3751IUFD-PBF/2002312, Type=DEV
U6: library part "OP AMP MCP6231UT-E_OT", Mfr_Name=Microchip, Supplier Part Number 1=MCP6231UT-E/OTCT-ND, Copyright="Copyright (C) 2021 Ultra Librarian. All rights reserved.", Digi-Key_Part_Number_1=MCP6231UT-E/OTCT-ND, Digi-Key_Part_Number_2=MCP6231UT-E/OTDKR-ND, Digi-Key_Part_Number_3=MCP6231UT-E/OTTR-ND, Manufacturer Part Number 1=MCP6231UT-E/OT, Manufacturer_Part_Number=MCP6231UT-E/OT, Part Number="OP AMP MCP6231UT-E_OT", RefDes=RefDes, Supplier 1=Digi-key, Supplier URL 1=https://www.digikey.ca/en/products/detail/microchip-technology/MCP6231UT-E-OT/716023, Type=DEV
U7: library part MCP14A0454T-E_SN, "IC GATE DRVR LOW-SIDE 8SOIC", Supplier Part Number 1=MCP14A0454T-E/SNCT-ND, Manufacturer Part Number 1=MCP14A0454T-E/SN, Part Number=MCP14A0454T-E_SN, Supplier 1=Digi-key, Supplier URL 1=https://www.digikey.com/en/products/detail/microchip-technology/MCP14A0454T-E-SN/8639009?s=N4IgTCBcDaILIGEAKBGALAQQAxoKxoBUBaAUQHoBlAORAF0BfIA
U8: library part "ISO ADUM141D1BRQZ", "Digital Isolator CMOS 4-CH 150Mbps 16-Pin QSOP T/R", Supplier Part Number 1=ADUM141D1BRQZ-ND, Manufacturer Part Number 1=ADUM141D1BRQZ, Part Number="ISO ADUM141D1BRQZ", Supplier 1=Digi-Key, Supplier URL 1=https://www.digikey.ca/en/products/detail/analog-devices-inc/ADUM141D1BRQZ/7606661
U9: Package="SOIC-8 Analog Devices", Supplier Part Number 1=ADM706SARZ-REELCT-ND, Check_prices=https://www.snapeda.com/parts/ADM706SARZ-REEL/Analog+Devices/view-part/?ref=eda, Digi-Key_Part_Number=ADM706SARZ-REELCT-ND, Manufacturer Part Number 1=ADM706SARZ-REEL, MF="Analog Devices", MP=ADM706SARZ-REEL, Part Number=ADM706SARZ-REEL, Purchase-URL=https://pricing.snapeda.com/search/part/ADM706SARZ-REEL/?ref=eda, SnapEDA_Link=https://www.snapeda.com/parts/ADM706SARZ-REEL/Analog+Devices/view-part/?ref=snap, Supplier 1=Digi-key, Supplier 2="Arrow Electronics", Supplier 3=Mouser, Supplier Part Number 2=ADM706SARZ-REEL, Supplier Part Number 3=584-ADM706SARZ-R, Supplier URL 1=https://www.digikey.com/en/products/detail/analog-devices-inc/ADM706SARZ-REEL/993649
U11: "RX TXRX MOD WIFI SURFACE MOUNT", Package="SMD-48 Espressif Systems", Supplier Part Number 1=1904-1029-1-ND, Availability=Warning, Check_prices=https://www.snapeda.com/parts/ESP32-PICO-D4/Espressif%20Systems/view-part/2762121/?ref=eda, Manufacturer Part Number 1=ESP32-PICO-D4, MF="Espressif Systems", MP=ESP32-PICO-D4, Part Number=ESP32-PICO-D4, Price=None, Purchase-URL=https://pricing.snapeda.com/search/part/ESP32-PICO-D4/?ref=eda, SnapEDA_Link=https://www.snapeda.com/parts/ESP32-PICO-D4/Espressif%20Systems/view-part/2762121/?ref=snap, Supplier 1=Digi-key, Supplier URL 1=https://www.digikey.com/en/products/detail/espressif-systems/ESP32-PICO-D4/9381722
3V3 5FB 5V 12FB 12V *DONE *FAULT AD_D AD_VCC BKBM CHARGE CHIP_G FL_RX FL_TX HVM_OUT HVM_RAW KICK_G PMS_SCL PMS_SDA VCC: Part Number="Test Point (Via)"
Q4: MFG=STMicroelectronics, Part Number=STD11N60DM2, Supplier=Digikey, Supplier PN=497-16925-1-ND

## Free pads (board coordinates)
  round 173.23 hole 94.49: ""(4783.29,2437.79) ""(4783.29,4721.25) ""(8169.12,2437.79) ""(8169.12,4721.25)

## Via types
v1: diameter 23.62, hole 11.81, Signal 1 to Signal 2, tented both sides, 929 vias
v2: diameter 19.68, hole 9.84, Signal 1 to Signal 2, tented both sides, 21 vias
v3: diameter 181.1, hole 94.49, Signal 1 to Signal 2, 4 vias

## Nets (pads, with @x,y where several pads share a name; then routed paths per layer and width w, separated by ;. In a path a pad name is that pad's centre, name@x,y a point inside that pad or via, vN(x,y) a via of type N, cw(c..) or ccw(c..) an arc to the next point about the centre after c; other vN are vias at no path point)
3V3: 3V3.1 C16.2 C36.2 C37.1 C45.2 C53.2 C59.2 C60.2 C61.2 C62.2 C63.2 C64.2 C65.2 C66.2 J6.1 J7.2 J11.4 R5.2 R6.2 R19.2 R34.1 R35.1 R61.1 R69.2 R70.2 R74.1 U4.2 U6.5 U8.16 U9.2 U11.1 U11.3 U11.4 U11.19 U11.26 U11.37 U11.43 U11.46 | length 2524.5
  Signal 1 w8: v1(3845.93,4137.39) 3845.99,4137.33 C62.2@3845.99,4113.72
  Signal 1 w10: v1(3577.83,3749.25) 3577.8,3707.15 3577.19,3706.54 3577.19,3648.67 C37.1@3576.6,3648.08 3578.4,3646.28 3578.4,3574.36 U6.5@3580.21,3572.55 ; R19.2@3628.4,4590.12 3628.58,4589.94 3628.58,4556.36 v1(3628.76,4556.18) ; v1(3758.93,3934.33) 3759.99,3935.39 3779.67,3935.39 3786.49,3942.2 C61.2@3786.49,3946.14 3786.49,3950.08 3793.3,3956.89 3797.23,3956.89 3818.01,3977.66 U11.43@3896.61,3977.66 ; U8.16@3781.03,4458.5 3781.77,4459.24 3888.07,4459.24 v1(3888.81,4459.99) ; v1(3814.72,3762.01) v1@3814.88,3762.17 ; C64.2@3816.1,3867.64 3814.88,3866.42 v1@3814.88,3762.17 ; C64.2@3817.1,3867.64 3817.1,3897.2 3838.52,3918.61 U11.46@3896.61,3918.61 ; C62.2@3835.08,4105.74 3839.02,4105.74 3848.98,4095.77 U11.37@3888.82,4095.77 ; C59.2@3856.26,3762.17 v1@3814.88,3762.17 ; C59.2@3856.26,3762.32 3857.02,3763.08 C66.2@3904.95,3763.08 ; U11.37@3894.64,4095.77 U11.37@3896.61,4095.77 ; C66.2@3909.65,3762.32 3905.71,3762.32 C66.2@3904.95,3763.08 ; U11.1@3916.89,3858.96 3916.89,3839.28 3915,3837.39 3905.42,3837.39 3897.84,3829.81 3897.84,3774.13 3898.9,3773.07 3898.9,3769.14 C66.2@3904.95,3763.08 ; U11.3@3956.26,3850.1 3975.94,3850.1 3975.88,3850.04 3975.88,3781.69 3968.77,3774.58 3968.77,3770.65 3961.96,3763.84 C65.2@3958.03,3763.84 3957.27,3763.08 C66.2@3904.95,3763.08 ; U11.26@4113.74,4124.91 4113.74,4162.48 4139.06,4187.8 4145.14,4187.8 C63.2@4151.95,4194.61 ; v1(4156.84,4165.61) 4156.84,4189.72 C63.2@4151.95,4194.61 ; U11.19@4162.55,3997.35 4227.27,3997.35 C60.2@4228.97,3999.05 ; R61.1@4195.16,3673.05 4195.65,3673.54 v1(4226.47,3673.54) ; C60.2@4240.16,4005.08 4240.16,4009.02 4255.14,4024 4255.14,4031.58 v1(4257.75,4034.19) 4261.43,4034.19 4282.85,4055.6 4375.17,4055.6 4375.65,4055.13 4384.96,4055.13 R6.2@4391.77,4048.32 4392.13,4047.96 4441.94,4047.96 R5.2@4442.29,4047.61 ; R70.2@4255.68,4212.85 4170.19,4212.85 4162.7,4205.36 4162.7,4201.42 4155.89,4194.61 C63.2@4151.95,4194.61
  Signal 1 w15: R35.1@4240.04,3872.9 4241.02,3873.87 4282.12,3873.87 4288.67,3867.33 v1(4291,3867.33) 4293.33,3867.33 4305.71,3854.95 R34.1@4345.12,3854.95 ; 3V3.1@5781.18,4346.7 5781.18,4399.15 C16.2@5782.21,4400.18 5833.41,4400.18 v1(5849.19,4384.39)
  Signal 1 w20: J6.1@3653.72,2857.58 3745.89,2949.76 R74.1@3745.89,3085.57 ; v1(5496.04,4295.61) 5496.09,4295.66 R69.2@5525.15,4295.71 R69.2@5525.15,4295.71
  Signal 2 w20: v1(5051.82,3895.52) 5051.82,3894.54 5057.7,3888.66 5057.7,3874.44 5059.51,3872.63 C53.2@5063.45,3872.63 5063.45,3860.82 5080.12,3844.14 5189.09,3844.14 5214.91,3869.97 U9.2@5214.91,3916.19
  other v1: 5849.19,4334.39 5899.19,4334.39 5949.19,4334.39 5999.19,4334.39 6049.19,4334.39 5899.19,4384.39 5949.19,4384.39 5999.19,4384.39 6049.19,4384.39 5849.19,4434.39 5899.19,4434.39 5949.19,4434.39 5999.19,4434.39 6049.19,4434.39 5849.19,4484.39 5899.19,4484.39 5949.19,4484.39 5999.19,4484.39 6049.19,4484.39
3V3_JETSON: C44.2 J2.5 R73.1 U8.1 | length 358.5
  Signal 1 w10: J2.5@3398.34,4599.08 J2.5@3415.59,4599.08 ; v1(3426.34,4645.19) 3426.34,4609.83 J2.5@3415.59,4599.08 ; U8.1@3566.46,4458.5 3568.25,4460.28 3568.25,4505.49 3474.66,4599.08 J2.5@3415.59,4599.08
  Signal 2 w10: v1(3426.34,4645.19) 3426.91,4645.76 3426.91,4695.7 R73.1@3427.48,4696.27
5V: 5V.1 C11.1 C12.1 C13.1 C15.1 C46.2 C47.2 C51.2 C52.2 J3.1 J4.2 J5.4 J5.5 L2.1 R15.2 U4.3 | length 3682.4
  Signal 1 w10: C51.2@3937.13,4462.45 3975.9,4462.45 3975.9,4484.2 3971.27,4488.83 v1(3971.27,4536.05) ; R15.2@6473.02,3963.73 6626.84,3963.73 5V.1@6706.59,3883.98
  Power w100: 3801.72,4561.45 3804.09,4559.09 4049.69,4559.09 4495.6,4113.18 5751.16,4113.18
  Power w175: 6484.74,4035.58 6484.74,4710.33 6820.46,5046.05 6820.46,5062.89
  other v1: 5677.76,3954.01 5727.76,3954.01 5777.76,3954.01 5827.76,3954.01 5877.76,3954.01 5927.76,3954.01 5977.76,3954.01 6027.76,3954.01 6077.76,3954.01 6127.76,3954.01 5677.76,4004.01 5727.76,4004.01 5777.76,4004.01 5827.76,4004.01 5877.76,4004.01 5927.76,4004.01 5977.76,4004.01 6027.76,4004.01 6077.76,4004.01 6127.76,4004.01 6199.33,4034.36 6249.33,4034.36 6299.33,4034.36 6349.33,4034.36 5677.76,4054.01 5727.76,4054.01 5777.76,4054.01 5827.76,4054.01 5877.76,4054.01 5927.76,4054.01 5977.76,4054.01 6027.76,4054.01 6077.76,4054.01 6127.76,4054.01 5677.76,4104.01 5727.76,4104.01 5777.76,4104.01 5827.76,4104.01 5877.76,4104.01 5927.76,4104.01 5977.76,4104.01 6027.76,4104.01 6077.76,4104.01 6127.76,4104.01 5677.76,4154.01 5727.76,4154.01 5777.76,4154.01 6027.76,4154.01 6077.76,4154.01 6127.76,4154.01 5677.76,4204.01 5727.76,4204.01 5777.76,4204.01 6027.76,4204.01 6077.76,4204.01 6127.76,4204.01 3828.89,4495.17 3885.19,4495.17 3939.89,4495.17 3768.82,4525.04 3882.18,4540.94 3969.58,4584.73 3766.41,4585.93 3878.74,4585.99 3855.01,4626.92 3904.6,4627.16 6648.29,4977.96 6698.29,4977.96 6748.29,4977.96 6798.29,4977.96 6848.29,4977.96 6898.29,4977.96 6948.29,4977.96 6998.29,4977.96 7048.29,4977.96 6698.29,5027.96 6748.29,5027.96 6798.29,5027.96 6848.29,5027.96 6898.29,5027.96 6948.29,5027.96 6998.29,5027.96 7048.29,5027.96 7098.29,5027.96 6651.6,5028.54 6648.29,5077.96 6698.29,5077.96 6748.29,5077.96 6798.29,5077.96 6848.29,5077.96 6898.29,5077.96 6948.29,5077.96 6998.29,5077.96 7048.29,5077.96 7098.29,5077.96 6748.29,5127.96 6798.29,5127.96 6848.29,5127.96 7048.29,5127.96 7098.29,5127.96 6748.29,5177.96 6798.29,5177.96 6898.29,5177.96 6948.29,5177.96 6998.29,5177.96 7048.29,5177.96 7098.29,5177.96
5V_EN: R14.1 R18.2 U3.6 | length 268.3
  Signal 1 w8: U3.6@6238.27,3686.88 6255.77,3686.88 6285.3,3657.35 6285.3,3515.32 6294.73,3505.89 R18.2@6294.73,3501.96 6294.94,3502.17 6344.06,3502.17 R14.1@6344.28,3502.39
5V_VFB: 5FB.1 R15.1 R17.2 U3.4 | length 279.7
  Signal 1 w12: U3.4@6448.27,3736.88 6465.77,3736.88 6469.27,3740.38 6469.27,3772.36 6481.56,3784.65 R17.2@6481.56,3826.38 6481.56,3894.92 R15.1@6478.01,3898.47 ; 5FB.1@6557.8,3896.2 6555.54,3898.47 R15.1@6478.01,3898.47 ; R15.1@6478.01,3898.47 6475.29,3898.47 R15.1@6473.02,3900.73 6475.74,3900.73 R15.1@6478.01,3898.47
12V: 12V.1 C5.2 C6.2 C7.2 C8.2 C9.1 C10.1 C17.2 C21.2 C34.1 C35.2 C39.2 C40.2 J8.2 L1.2 R10.1 R14.2 R21.2 R22.2 U3.2 U5.11 U5.12 U7.6 | length 5078
  Signal 1 w15: C39.2@4503.68,3349.51 4504.34,3348.86 4533.47,3348.86 v1(4534.12,3348.2) 4534.82,3348.9 4566.47,3348.9 C40.2@4567.16,3349.59
  Signal 1 w20: R14.2@6407.27,3502.39 6407.27,3498.45 6467.89,3437.84 6467.89,3370.48
  Signal 1 w50: 5242.57,4249 5242.57,4223.22 5367.89,4097.9 v1(5367.89,3880.66) ; 6559.51,3051.48 R22.2@7035.92,3051.48 ; R22.2@7039.84,3054.77 R21.2@7039.84,3153.74
  Power w50: v1(4308.92,3266.37) 4308.92,3312.11 4338.21,3341.4 4448.81,3341.4 4448.5,3341.09 5164.59,3341.09 5364.28,3540.77 5950.82,3540.77 ; 5346.61,3914.08 5371.13,3889.56 5659.5,3889.56 5695.98,3853.07 5695.98,3736.17 5737.03,3695.12 5796.47,3695.12 5915.58,3576.01 5950.82,3540.77 ; v1(6418.42,3314.43) 6386.35,3346.5 6145.08,3346.5 5950.82,3540.77 ; v1(7018.43,3009.39) 7461.67,3009.39 7536.06,3083.78 v1(7646.87,3083.78) 7646.87,3056.1 v1(7648.2,3054.77)
  other v1: 7059.07,3009.69 4309.56,3233.33 6368.42,3314.43 4471.18,3348.17 6418.42,3364.43 6367.14,3364.95 5317.89,3880.66 5317.89,3930.66 5364.16,3932.12 5230.36,4239.46 5257.25,4264.06
12V_BOOT: C1.2 U2.3 | length 105.6
  Signal 1 w10: U2.3@6108.08,3210.5 6189.05,3210.5 6194.91,3204.64 6194.91,3201.88 6201.72,3195.07 C1.2@6205.65,3195.07
12V_VFB: 12FB.1 R10.2 R13.1 U2.6 | length 322.7
  Signal 1 w10: U2.6@6108.08,3360.5 6111.08,3357.5 R13.1@6209.44,3357.5 6245.65,3357.5 6252.46,3364.31 R10.2@6252.46,3365.29 6252.46,3369.23 6259.27,3376.04 6263.2,3376.04 6324.65,3437.49 12FB.1@6393.56,3437.49
+HV: +HV.1 C22.POS C23.POS C32.1 D7.2 D12.1 D14.1 P2.1 P3.1 R25.2 R26.2 R42.2 R43.2 R47.2 | length 2366.3
  Signal 1 w10: C22.POS@3439.76,4053.54 3439.76,4018.2 3491.91,3966.05 R47.2@3491.91,3721.69
  Signal 1 w12: R25.2@8374.6,4244.32 8374.6,4143.45 8453.94,4064.11 C23.POS@8453.94,4053.54
  Signal 1 w20: R26.2@6872.07,2545.38 6872.07,2502.93 6918.42,2456.58 v1(6978.93,2456.58)
  Power w80: 4475.4,2324.18 P3.1@4475.4,2589.89 ; 5517.35,2308.24 P2.1@5517.35,2573.96
  Signal 2 w12: v1(6978.93,2456.58) 6978.93,2392.08 D7.2@7049.43,2321.58
  Signal 2 w50: 5516.69,2307.58 5517.35,2308.24 ; R43.2@6320.45,2627.12 6456.08,2627.12 6485.37,2597.83 6485.37,2382.18
  Signal 2 w80: 4475.4,2324.18 P3.1@4475.4,2589.89 ; 5517.35,2308.24 P2.1@5517.35,2573.96
+VBAT: F1.3 F1.4 P1.2
BREAKBEAM: BKBM.1 J6.2 R74.2 U11.6 | length 1361.8
  Signal 1 w5: J6.2@3716.98,2782.18 3927.6,2992.81 ; R74.2@3808.88,3085.57 3842.13,3085.57 BKBM.1@3884.08,3043.62 3884.08,3036.33 3927.6,2992.81 ; U11.6@4015.31,3858.96 4015.31,3080.51 3927.6,2992.81
CH_GND: pad.@8169.12,4721.25 R3.2 | length 756.1